# Altium PCB 1-quilter-input.PcbDoc (part 3 of 4) (continued)
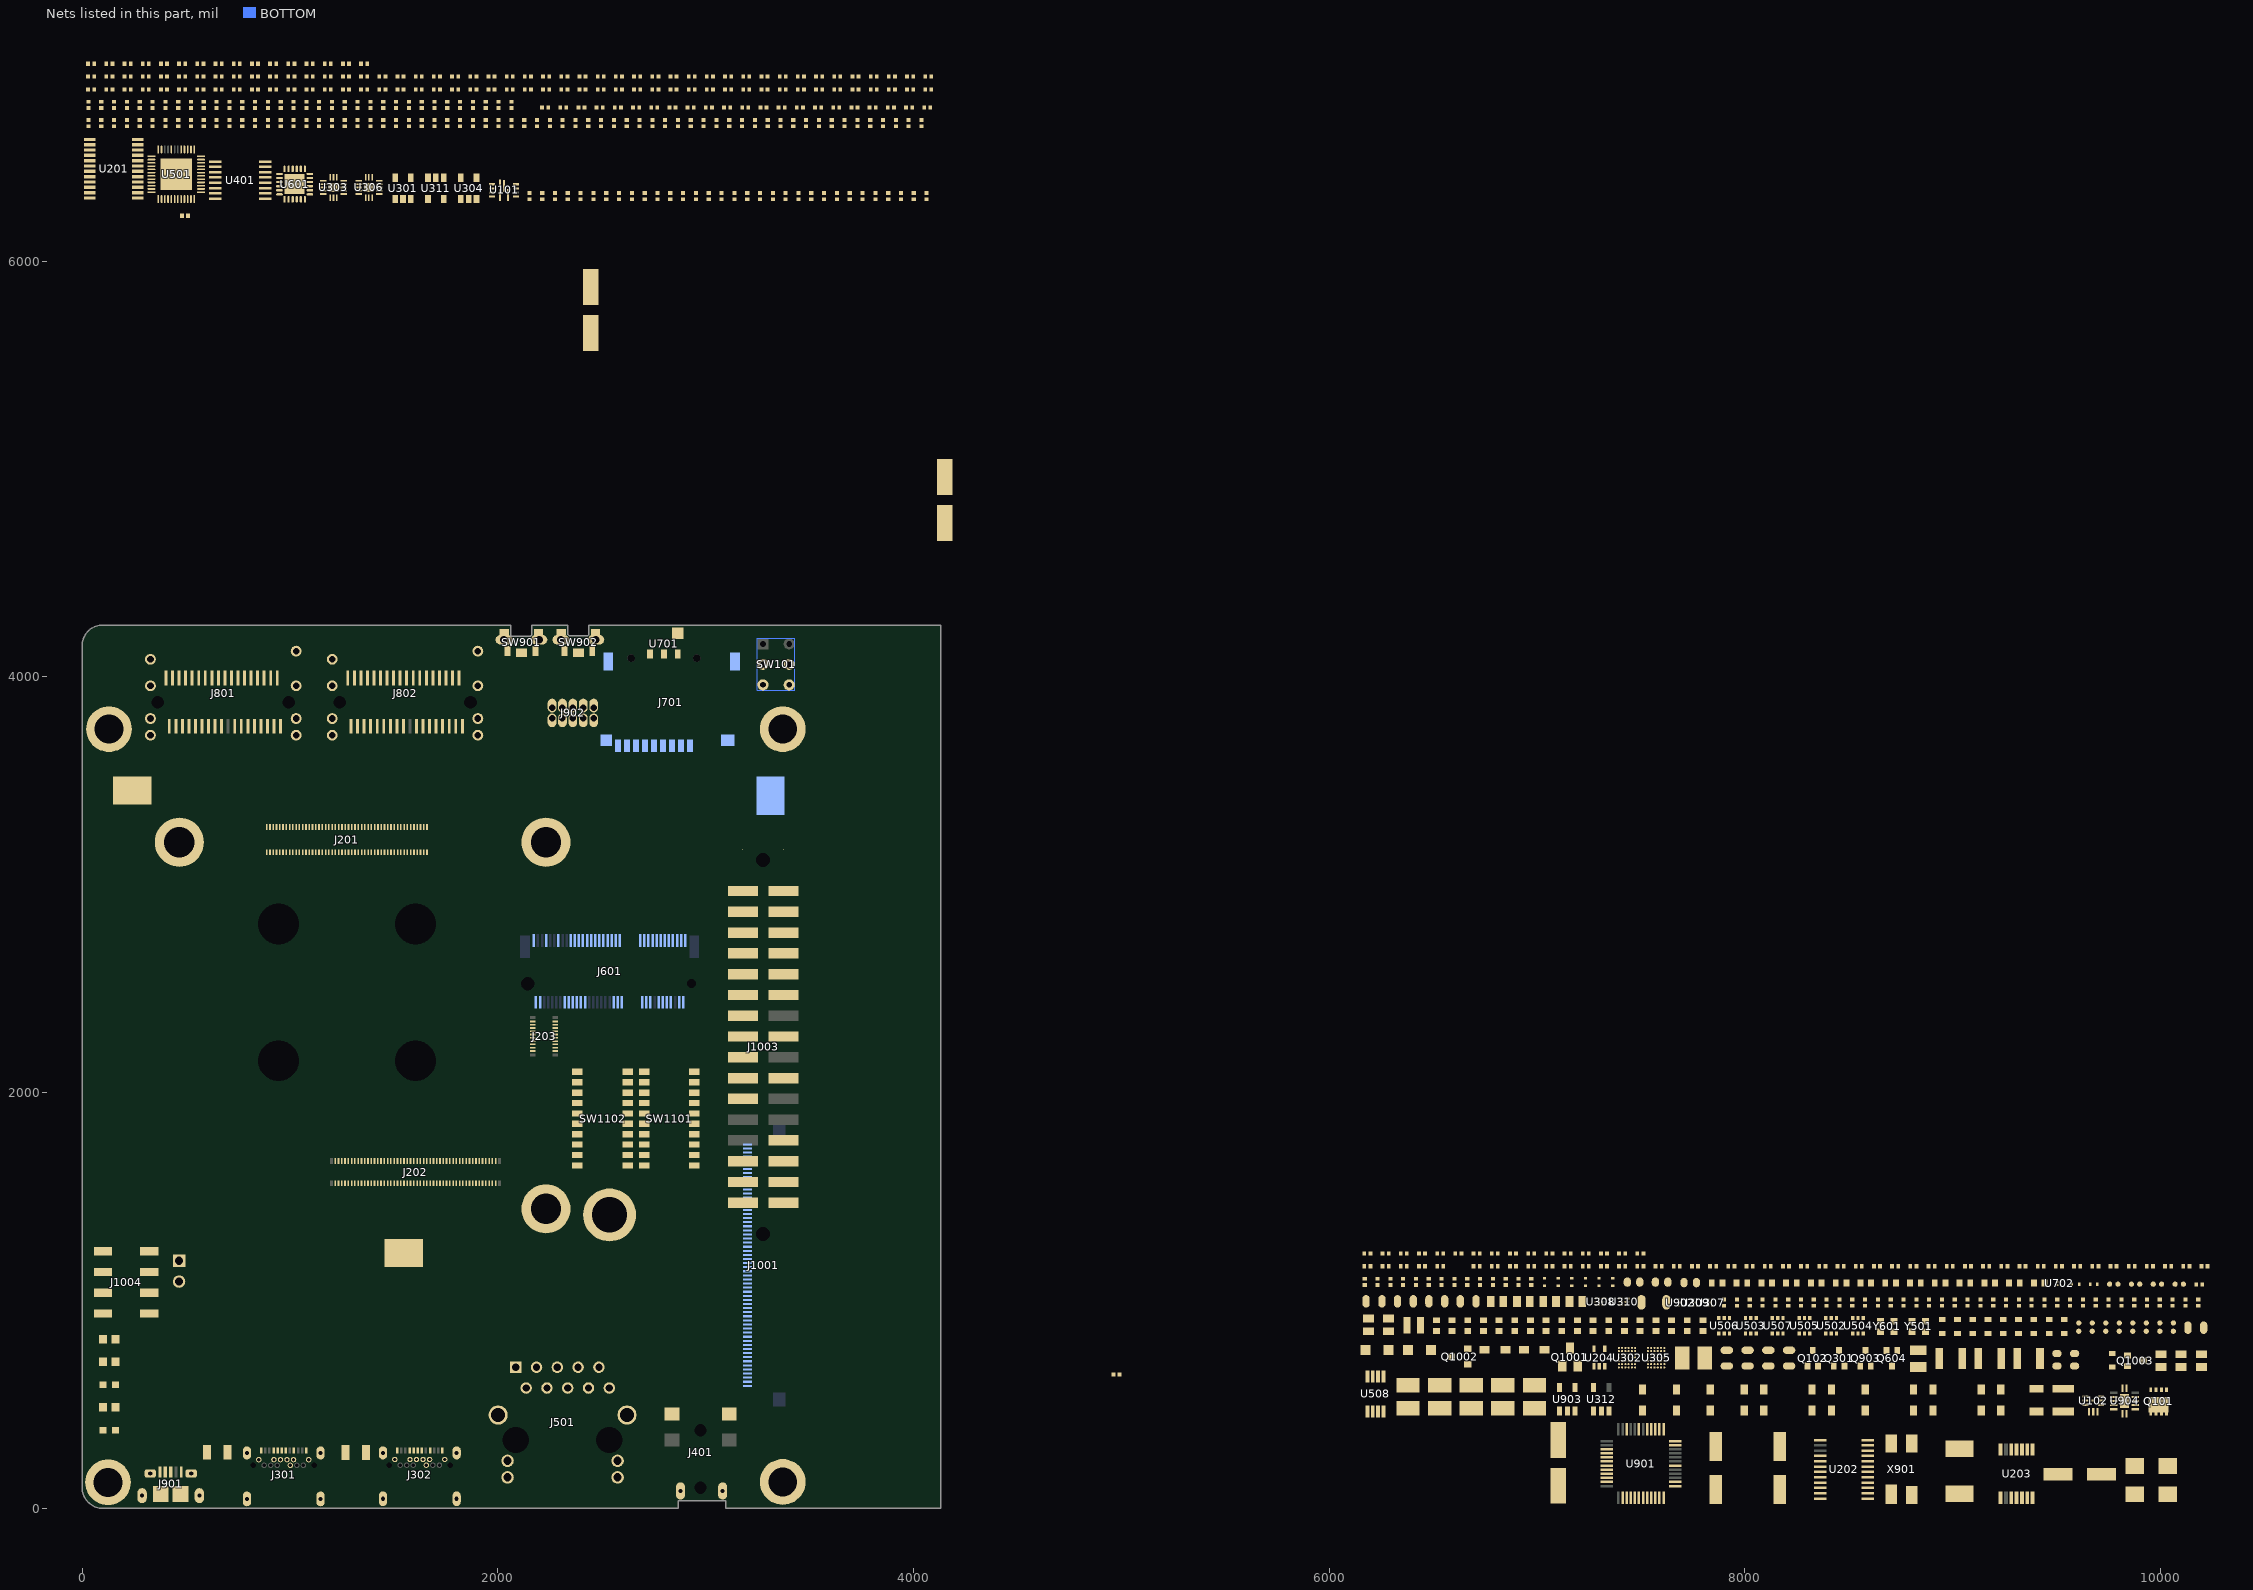
[diagram p5: the nets of this part, all layers, seen from the top]
## Part data (continued)
  R401: ClassName="C-09 Audio DAC", Part Reference=R401
  R402: ClassName="C-09 Audio DAC", Part Reference=R402
  R501: ASSY_OPT=DNP, ClassName="C-10 Ethernet 1Gbps", Part Reference=R501
  R502: ClassName="C-10 Ethernet 1Gbps", Part Reference=R502
  R503: ASSY_OPT=DNP, ClassName="C-10 Ethernet 1Gbps Bot 1", Part Reference=R503
  R511: ASSY_OPT=DNP, ClassName="C-10 Ethernet 1Gbps Bot 1", Part Reference=R511, SIGNAL_MODEL=RES_0402_CC_DISCRETE_470-75394__0
  R512: ASSY_OPT=DNP, ClassName="C-10 Ethernet 1Gbps Bot 1", Part Reference=R512, SIGNAL_MODEL=RES_0402_CC_DISCRETE_470-75394__0
  R530: ASSY_OPT=DNP, ClassName="C-10 Ethernet 1Gbps Bot 1", Part Reference=R530, SIGNAL_MODEL=RES_0402_CC_DISCRETE_470-75394__0
  R531: ASSY_OPT=DNP, ClassName="C-10 Ethernet 1Gbps Bot 1", Part Reference=R531, SIGNAL_MODEL=RES_0402_CC_DISCRETE_470-75394__0
  R532: ASSY_OPT=DNP, ClassName="C-10 Ethernet 1Gbps Bot 1", Part Reference=R532, SIGNAL_MODEL=RES_0402_CC_DISCRETE_470-75394__0
  R533: ASSY_OPT=DNP, ClassName="C-10 Ethernet 1Gbps Bot 1", Part Reference=R533, SIGNAL_MODEL=RES_0402_CC_DISCRETE_470-75394__0
  R534: ASSY_OPT=DNP, ClassName="C-10 Ethernet 1Gbps Bot 1", Part Reference=R534, SIGNAL_MODEL=RES_0402_CC_DISCRETE_470-75394__0
  R535: ASSY_OPT=DNP, ClassName="C-10 Ethernet 1Gbps Bot 1", Part Reference=R535, SIGNAL_MODEL=RES_0402_CC_DISCRETE_470-75394__0
  R536: ClassName="C-10 Ethernet 1Gbps", Part Reference=R536
  R537: ClassName="C-10 Ethernet 1Gbps", Part Reference=R537
  R538: ClassName="C-10 Ethernet 1Gbps", Part Reference=R538
  R539: ClassName="C-10 Ethernet 1Gbps Bot 1", Part Reference=R539
  R540: ClassName="C-10 Ethernet 1Gbps Bot 1", Part Reference=R540
  R541: ClassName="C-10 Ethernet 1Gbps Bot 1", Part Reference=R541
  R542: ClassName="C-10 Ethernet 1Gbps Bot 1", Part Reference=R542
  R543: ClassName="C-10 Ethernet 1Gbps Bot 1", Part Reference=R543
  R544: ClassName="C-10 Ethernet 1Gbps Bot 1", Part Reference=R544
  R603: ASSY_OPT=DNP, ClassName="C-11 PCIe Bot", Part Reference=R603
  R604: ClassName="C-11 PCIe Bot", Part Reference=R604
  R610: ClassName="C-11 PCIe Bot", Part Reference=R610
  R611: ClassName="C-11 PCIe Bot", Part Reference=R611
  R612: ClassName="C-11 PCIe Bot", Part Reference=R612
  R613: ClassName="C-11 PCIe Bot", Part Reference=R613
  R614: ASSY_OPT=DNP, ClassName="C-11 PCIe Bot", Part Reference=R614
  R615: ASSY_OPT=DNP, ClassName="C-11 PCIe Bot", Part Reference=R615
  R616: ClassName="C-11 PCIe Bot", Part Reference=R616
  R617: ClassName="C-11 PCIe Bot", Part Reference=R617
  R618: ClassName="C-11 PCIe Bot", Part Reference=R618
  R619: ClassName="C-11 PCIe Bot", Part Reference=R619
  R620: ClassName="C-11 PCIe Bot", Part Reference=R620
  R624: ASSY_OPT=DNP, ClassName="C-11 PCIe Bot", Part Reference=R624
  R625: ClassName="C-11 PCIe Bot", Part Reference=R625
  R629: ClassName="C-11 PCIe", Part Reference=R629
  R630: ClassName="C-11 PCIe", Part Reference=R630
  R631: ClassName="C-11 PCIe", Part Reference=R631
  R632: ClassName="C-11 PCIe", Part Reference=R632
  R702: ClassName="C-12 MicroSD_Infrared_LED_BTN Bot", Part Reference=R702
  R704: ClassName="C-12 MicroSD_Infrared_LED_BTN Bot", Part Reference=R704
  R705: ClassName="C-12 MicroSD_Infrared_LED_BTN Bot", Part Reference=R705
  R707: ClassName="C-12 MicroSD_Infrared_LED_BTN Bot", Part Reference=R707
  R708: ClassName="C-12 MicroSD_Infrared_LED_BTN Bot", Part Reference=R708
  R709: ClassName="C-12 MicroSD_Infrared_LED_BTN Bot", Part Reference=R709
  R807: ClassName="C-13 MIPI-DSI_CSI Bot", Part Reference=R807
  R808: ClassName="C-13 MIPI-DSI_CSI Bot", Part Reference=R808
  R809: ClassName="C-13 MIPI-DSI_CSI Bot", Part Reference=R809
  R810: ClassName="C-13 MIPI-DSI_CSI Bot", Part Reference=R810
  R908: ClassName="C-14 Debug", Part Reference=R908
  R909: ClassName="C-14 Debug", Part Reference=R909
  R910: ClassName="C-14 Debug", Part Reference=R910
  R911: ClassName="C-14 Debug", Part Reference=R911
  R921: ASSY_OPT=DNP, ClassName="C-14 Debug", Part Reference=R921, SIGNAL_MODEL=DEFAULT_RESISTOR_10000OHM_2_1, TOL=1%
  R922: ClassName="C-14 Debug", Part Reference=R922, SIGNAL_MODEL=DEFAULT_RESISTOR_10000OHM_2_1, TOL=1%
  R923: ASSY_OPT=DNP, ClassName="C-14 Debug", Part Reference=R923, SIGNAL_MODEL=DEFAULT_RESISTOR_10000OHM_2_1, TOL=1%
  R927: ASSY_OPT=DNP, ClassName="C-14 Debug", Part Reference=R927
  R928: ClassName="C-14 Debug Bot", Part Reference=R928
  R1003: ClassName="C-15 Expansion CN Bot", Part Reference=R1003
  R1004: ASSY_OPT=DNP, ClassName="C-15 Expansion CN Bot", Part Reference=R1004
  R1005: ASSY_OPT=DNP, ClassName="C-15 Expansion CN Bot", Part Reference=R1005
  R1006: ClassName="C-15 Expansion CN Bot", Part Reference=R1006
  R1009: ClassName="C-15 Expansion CN Bot", Part Reference=R1009
  R1010: ClassName="C-15 Expansion CN Bot", Part Reference=R1010
  R1011: ClassName="C-15 Expansion CN Bot", Part Reference=R1011
  R1012: ClassName="C-15 Expansion CN Bot", Part Reference=R1012
  R1013: ClassName="C-15 Expansion CN Bot", Part Reference=R1013
  R1014: ClassName="C-15 Expansion CN Bot", Part Reference=R1014
  R1015: ClassName="C-15 Expansion CN Bot", Part Reference=R1015
  R1016: ClassName="C-15 Expansion CN Bot", Part Reference=R1016
  R1017: ClassName="C-15 Expansion CN Bot", Part Reference=R1017
  R1018: ClassName="C-15 Expansion CN Bot", Part Reference=R1018
  R1019: ClassName="C-15 Expansion CN Bot", Part Reference=R1019
  R1020: ClassName="C-15 Expansion CN Bot", Part Reference=R1020
  R1021: ClassName="C-15 Expansion CN Bot", Part Reference=R1021
  R1022: ClassName="C-15 Expansion CN Bot", Part Reference=R1022
  R1023: ClassName="C-15 Expansion CN Bot", Part Reference=R1023
  R1024: ClassName="C-15 Expansion CN Bot", Part Reference=R1024
  R1025: ClassName="C-15 Expansion CN Bot", Part Reference=R1025
  R1026: ClassName="C-15 Expansion CN Bot", Part Reference=R1026
  R1027: ASSY_OPT=DNP, ClassName="C-15 Expansion CN Bot", Part Reference=R1027
  R1028: ASSY_OPT=DNP, ClassName="C-15 Expansion CN Bot", Part Reference=R1028
R301 R361: library part RES, "RES MF 47K 1/16W 5% 0402", Tolerance=5%, AGILE_PN=470-75559, CAD_APPROVED=Yes, CLASS=DISCRETE, ClassName="C-08 USB TYPE-C DRP", FPLIST=RC0402_25,RC0402_HD,0402_CC, HEIGHT="0.40 MM", MFG_NAME01="NIC COMPONENTS CORP", MFG_PN01=NRCL04J473TRF, RoHS=Yes
  R301: Part Reference=R301, PCB Footprint=0402_CC
  R361: Part Reference=R361, PCB Footprint=RC0402_25
R304 R318: library part RES, "RES MF 1.2M  1/10W 1% AEC-Q200 0402", Temp_Range="-55C to +155C", Tolerance=1%, AGILE_PN=470-31182, CAD_APPROVED=Yes, CLASS=DISCRETE, ClassName="C-08 USB TYPE-C DRP", FPLIST=RC0402_25,RC0402_HD,0402_CC, HEIGHT="0.40 MM", MFG_NAME01="KOA SPEER", MFG_PN01=RK73H1ETTP1204F, PCB Footprint=0402_CC, RoHS=Yes
  R304: Part Reference=R304
  R318: Part Reference=R318
R306 R319 R333: library part RES, "RES MF 1M 1/16W 1% 0402", Tolerance=1%, AGILE_PN=470-80575, CAD_APPROVED=Yes, CLASS=DISCRETE, ClassName="C-08 USB TYPE-C DRP", FPLIST=RC0402_25,RC0402_HD,0402_CC, HEIGHT=0.4MM, MFG_NAME01=BOURNS, MFG_PN01=CR0402-FX-1004GLF, PCB Footprint=0402_CC, RoHS=Yes
  R306: Part Reference=R306
  R319: Part Reference=R319
  R333: Part Reference=R333
R313 R314 R321 R322: library part RES, "RES MF 249K 1/10W 1% AEC-Q200 0402", Temp_Range="-55C to +155C", Tolerance=1%, AGILE_PN=470-31103, CAD_APPROVED=Yes, CLASS=DISCRETE, ClassName="C-08 USB TYPE-C DRP", FPLIST=RC0402_25,RC0402_HD,0402_CC, HEIGHT="0.40 MM", MFG_NAME01="KOA SPEER", MFG_PN01=RK73H1ETTP2493F, PCB Footprint=0402_CC, RoHS=Yes
  R313: Part Reference=R313
  R314: Part Reference=R314
  R321: Part Reference=R321
  R322: Part Reference=R322
R315 R316 R323 R325: library part RES, "RES MF ZERO OHM JUMPER 1/2W AEC-Q200 0805", Temp_Range="-55 ¡ãC to +155 ¡ãC", AGILE_PN=470-81272, CAD_APPROVED=Yes, CLASS=DISCRETE, FPLIST=RC0805_OV,RC0805,0805_CC, HEIGHT=0.6MM, MFG_NAME01="VISHAY INTERTECHNOLOGY", MFG_PN01=CRCW08050000Z0EAHP, PCB Footprint=RC0805_OV, RoHS=Yes
  R315: ASSY_OPT=DNP, ClassName="C-08 USB TYPE-C DRP Bot 1", Part Reference=R315
  R316: ASSY_OPT=DNP, ClassName="C-08 USB TYPE-C DRP Bot 1", Part Reference=R316
  R323: ClassName="C-08 USB TYPE-C DRP Bot 2", Part Reference=R323
  R325: ClassName="C-08 USB TYPE-C DRP Bot 2", Part Reference=R325
R356: library part RES, "RES MF 174K 1/16W 1% 0402", Tolerance=1%, AGILE_PN=470-77305, CAD_APPROVED=Yes, CLASS=DISCRETE, ClassName="C-08 USB TYPE-C DRP", FPLIST=RC0402_25,RC0402_HD,0402_CC, HEIGHT=0.4MM, MFG_NAME01=PANASONIC, MFG_PN01=ERJ-2RKF1743X, Part Reference=R356, PCB Footprint=RC0402_25, RoHS=Yes
R357 R359: library part RES, "RES MF 24.9K  1/16W 1% 0402", Temp_Range="-55¡ãC ~ 155¡ãC", Tolerance=1%, AGILE_PN=470-30990, CAD_APPROVED=Yes, CLASS=DISCRETE, ClassName="C-08 USB TYPE-C DRP", FPLIST=RC0402_25,RC0402_HD,0402_CC, HEIGHT="0.40 MM", MFG_NAME01="YAGEO AMERICA", MFG_PN01=RC0402FR-0724K9L, PCB Footprint=RC0402_25, RoHS=Yes
  R357: Part Reference=R357
  R359: Part Reference=R359
R358 R930: library part RES, "RES MF 120K 1/10W 1% AEC-Q200 0402", Temp_Range="-55C to +155C", Tolerance=1%, AGILE_PN=470-31069, CAD_APPROVED=Yes, CLASS=DISCRETE, FPLIST=RC0402_25,RC0402_HD,0402_CC, HEIGHT="0.40 MM", MFG_NAME01="KOA SPEER", MFG_PN01=RK73H1ETTP1203F, PCB Footprint=RC0402_25, RoHS=Yes
  R358: ClassName="C-08 USB TYPE-C DRP", Part Reference=R358
  R930: ClassName="C-14 Debug", Part Reference=R930
R403 R404: library part RES, "RES MF 510 OHM 1/10W 1% 0603", Tolerance=1%, AGILE_PN=470-75770, CAD_APPROVED=Yes, CLASS=DISCRETE, ClassName="C-09 Audio DAC", FPLIST=RC0603_OV,RC0603,0603_CC, HEIGHT="0.55 MM", MFG_NAME01=BOURNS, MFG_PN01=CR0603-FX-5100ELF, PCB Footprint=RC0603_OV, RoHS=Yes
  R403: Part Reference=R403
  R404: Part Reference=R404
R508 R527 R528: library part RES, "RES MF 1.5K 1/16W 1% 0402", Tolerance=1%, AGILE_PN=470-80487, ASSY_NOTE=470-76065, CAD_APPROVED=Yes, CLASS=DISCRETE, FPLIST=RC0402_25,RC0402_HD,0402_CC, HEIGHT=0.4MM, MFG_NAME01=BOURNS, MFG_PN01=CR0402-FX-1501GLF, PCB Footprint=0402_CC, PRIORITY_PN=006-00654, RoHS=Yes, ROOM=RGMII_PHY
  R508: ClassName="C-10 Ethernet 1Gbps Bot 1", Part Reference=R508
  R527: ClassName="C-10 Ethernet 1Gbps", Part Reference=R527
  R528: ClassName="C-10 Ethernet 1Gbps", Part Reference=R528
R510 R513: library part RES, "RES MF 270 OHM 1/16W 5% 0402", Tolerance=5%, AGILE_PN=470-30332, CAD_APPROVED=Yes, CLASS=DISCRETE, ClassName="C-10 Ethernet 1Gbps", FPLIST=RC0402_25,RC0402_HD,0402_CC, HEIGHT="0.40 MM", MFG_NAME01="VISHAY INTERTECHNOLOGY", MFG_PN01=CRCW0402270RJNED, PCB Footprint=RC0402_25, RoHS=Yes, SIGNAL_MODEL=DEFAULT_RESISTOR_270OHM_2_1
  R510: Part Reference=R510
  R513: Part Reference=R513
R514: library part RES, "RES MF 1.0M 1/4W 1% 1206", Tolerance=1%, AGILE_PN=470-81076, CAD_APPROVED=Yes, CLASS=DISCRETE, ClassName="C-10 Ethernet 1Gbps Bot 2", FPLIST=RC1206_OV,RC1206,1206_CC, HEIGHT=0.6MM, MFG_NAME01="VISHAY INTERTECHNOLOGY", MFG_PN01=RCV12061M00FKEA, Part Reference=R514, PCB Footprint=1206_CC, RoHS=Yes
R515: library part RES, "RES MF 2.37K  1/16W 1% 0402", Temp_Range="-55¡ãC ~ 155¡ãC", Tolerance=1%, AGILE_PN=470-30874, CAD_APPROVED=Yes, CLASS=DISCRETE, ClassName="C-10 Ethernet 1Gbps Bot 1", FPLIST=RC0402_25,RC0402_HD,0402_CC, HEIGHT="0.40 MM", MFG_NAME01="YAGEO AMERICA", MFG_PN01=RC0402FR-072K37L, Part Reference=R515, PCB Footprint=0402_CC, PRIORITY_PN=006-01003, RoHS=Yes, ROOM=RGMII_PHY, SIGNAL_MODEL=DEFAULT_RESISTOR_2370OHM_2_1
R621 R622: library part RES, "RES MF 49.9 OHM 1/16W 1% 0402", Tolerance=1%, AGILE_PN=470-75360, ASSY_OPT=DNP, CAD_APPROVED=Yes, CLASS=DISCRETE, ClassName="C-11 PCIe Bot", FPLIST=RC0402_25,RC0402_HD,0402_CC, HEIGHT=0.4MM, MFG_NAME01=BOURNS, MFG_PN01=CR0402-FX-49R9GLF, PCB Footprint=0402_CC, RoHS=Yes
  R621: Part Reference=R621
  R622: Part Reference=R622
R714 R1030: library part RES, "RES MF 47 OHM 1/16W 5% 0402", Tolerance=5%, AGILE_PN=470-75632, CAD_APPROVED=Yes, CLASS=DISCRETE, FPLIST=RC0402_25,RC0402_HD,0402_CC, HEIGHT=0.41mm, MFG_NAME01=SMEC, MFG_PN01=RC73L2Z470JTF, PCB Footprint=0402_CC, RoHS=Yes
  R714: ClassName="C-12 MicroSD_Infrared_LED_BTN", Part Reference=R714
  R1030: ClassName="C-15 Expansion CN Bot", Part Reference=R1030
R904: library part RES, "RES TF 470 1/16W 5% RC0402", Tolerance=5%, AGILE_PN=470-76556, CAD_APPROVED=Yes, CLASS=DISCRETE, ClassName="C-14 Debug", FPLIST=RC0402_25,RC0402_HD,0402_CC, HEIGHT="0.4 MM", MFG_NAME01=BOURNS, MFG_PN01=CR0402JW471GLF, Part Reference=R904, PCB Footprint=0402_CC, RoHS=Yes
R920: library part RES, "RES MF 100 OHM 1/16W 1% 0402", Tolerance=1%, AGILE_PN=470-30454, CAD_APPROVED=Yes, CLASS=DISCRETE, ClassName="C-14 Debug", FPLIST=RC0402_25,RC0402_HD,0402_CC, HEIGHT="0.4 MM", MFG_NAME01="THYE MING TECH CO LTD", MFG_PN01=CR-02FL6--100R, Part Reference=R920, PCB Footprint=0402_CC, RoHS=Yes
R925: library part RES, "RES MF 1.50K 1/16W 1% 0402", Tolerance=1%, AGILE_PN=470-76065, CAD_APPROVED=Yes, CLASS=DISCRETE, ClassName="C-14 Debug", FPLIST=RC0402_25,RC0402_HD,0402_CC, HEIGHT="0.4 MM", MFG_NAME01="WALSIN TECHNOLOGY CORP.", MFG_PN01=WR04X1501FTL, Part Reference=R925, PCB Footprint=0402_CC, RoHS=Yes
R929 R1102 R1104 R1106 R1108 R1110 R1112 R1114 R1116 R1118 R1120 R1122 R1124 R1126 R1128 R1130 R1132 R1134 R1136 R1139 R1140: library part RES, "RES MF 100K 1/16W 5% 0402", Temp_Range="-55C to +155C", Tolerance=5%, AGILE_PN=470-75597, CAD_APPROVED=Yes, CLASS=DISCRETE, FPLIST=RC0402_25,RC0402_HD,0402_CC, HEIGHT="0.40 MM", MFG_NAME01="VENKEL COMPANY", MFG_PN01=CR0402-16W-104JT, PCB Footprint=0402_CC, RoHS=Yes, TOL=5%
  R929: ClassName="C-14 Debug", Part Reference=R929
  R1102: ClassName="X-16 BOOT CFG Bot", Part Reference=R1102
  R1104: ClassName="X-16 BOOT CFG Bot", Part Reference=R1104
  R1106: ClassName="X-16 BOOT CFG Bot", Part Reference=R1106
  R1108: ClassName="X-16 BOOT CFG Bot", Part Reference=R1108
  R1110: ClassName="X-16 BOOT CFG Bot", Part Reference=R1110
  R1112: ClassName="X-16 BOOT CFG Bot", Part Reference=R1112
  R1114: ClassName="X-16 BOOT CFG Bot", Part Reference=R1114
  R1116: ClassName="X-16 BOOT CFG Bot", Part Reference=R1116
  R1118: ClassName="X-16 BOOT CFG Bot", Part Reference=R1118
  R1120: ClassName="X-16 BOOT CFG Bot", Part Reference=R1120
  R1122: ClassName="X-16 BOOT CFG Bot", Part Reference=R1122
  R1124: ClassName="X-16 BOOT CFG Bot", Part Reference=R1124
  R1126: ClassName="X-16 BOOT CFG Bot", Part Reference=R1126
  R1128: ClassName="X-16 BOOT CFG Bot", Part Reference=R1128
  R1130: ClassName="X-16 BOOT CFG Bot", Part Reference=R1130
  R1132: ClassName="X-16 BOOT CFG Bot", Part Reference=R1132
  R1134: ClassName="X-16 BOOT CFG Bot", Part Reference=R1134
  R1136: ClassName="X-16 BOOT CFG Bot", Part Reference=R1136
  R1139: ClassName="X-16 BOOT CFG Bot", Part Reference=R1139
  R1140: ClassName="X-16 BOOT CFG Bot", Part Reference=R1140
SW101: library part SW_DPDT_3, "SW DPDT SLD 0.03A 50V TH", AGILE_PN=510-78053, CAD_APPROVED=Yes, CLASS=IC, ClassName="C-06 Power", HEIGHT=5.8MM, MFG_NAME01="FODOT ELECTRONICS CO.,LTD.", MFG_PN01=M096H-A020RT21A, Part Reference=SW101, PCB Footprint=sw6_dpdt_m096h_th, RoHS=Yes
SW901 SW902: library part NTC501-BG1G-B160T, "SW SPST NO TACT RA 50MA 12V SMT", AGILE_PN=510-78113, CAD_APPROVED=Yes, CLASS=IC, ClassName="C-14 Debug", FPLIST=sw2_3p4_tact_sm,sw2_3p4_tact_sm_nsp, HEIGHT=1.9MM, MFG_NAME01=T-MEC, MFG_PN01=NTC501-BG1G-B160T, PCB Footprint=sw2_3p4_tact_sm_nsp, RoHS=Yes
  SW901: Part Reference=SW901
  SW902: Part Reference=SW902
SW1101 SW1102: library part SW_DIP-10, "SW SPST 10P DIP SLIDE 25MA 24V SMT", Temp_Range="-40 to +85C", AGILE_PN=510-78231, CAD_APPROVED=Yes, CLASS=IC, ClassName="X-16 BOOT CFG", HEIGHT=1.7MM, MFG_NAME01=Grayhill, MFG_PN01=97C10ST, PCB Footprint=sw_dip10_sm, RoHS=Yes
  SW1101: Part Reference=SW1101
  SW1102: Part Reference=SW1102
TP1201 TP1202 TP1203: "TEST POINT PAD SIZE 4.7MM X 3.5MM SN", AGILE_PN=211-30043, CAD_APPROVED=Yes, CLASS=IO, ClassName="X-17 Mech_TP", HEIGHT=2.286MM, MFG_NAME01="KEYSTONE ELECTRONICS", MFG_PN01=5016, PCB Footprint=TEST_PIN_TP107, PRIORITY_PN=028-00650, RoHS=Yes
  TP1201: Part Reference=TP1201
  TP1202: Part Reference=TP1202
  TP1203: Part Reference=TP1203
TVS303 TVS304 TVS307 TVS308 TVS401 TVS402 TVS701 TVS702 TVS901: library part DIODE_TVS_BIDIR, "DIODE SUPPRESSOR 16A@30NS 5V@1UA SOD-523", AGILE_PN=480-76937, CAD_APPROVED=Yes, CLASS=IC, HEIGHT=0.7MM, MFG_NAME01="on semiconductor", MFG_PN01=ESD5B5.0ST1G, PCB Footprint=diode2_sod523, RoHS=Yes
  TVS303: ASSY_OPT=DNP, ClassName="C-08 USB TYPE-C DRP", Part Reference=TVS303
  TVS304: ASSY_OPT=DNP, ClassName="C-08 USB TYPE-C DRP", Part Reference=TVS304
  TVS307: ASSY_OPT=DNP, ClassName="C-08 USB TYPE-C DRP Bot 1", Part Reference=TVS307
  TVS308: ASSY_OPT=DNP, ClassName="C-08 USB TYPE-C DRP", Part Reference=TVS308
  TVS401: ClassName="C-09 Audio DAC", Part Reference=TVS401
  TVS402: ClassName="C-09 Audio DAC", Part Reference=TVS402
  TVS701: ClassName="C-12 MicroSD_Infrared_LED_BTN Bot", Part Reference=TVS701
  TVS702: ClassName="C-12 MicroSD_Infrared_LED_BTN Bot", Part Reference=TVS702
  TVS901: ClassName="C-14 Debug", Part Reference=TVS901
U101: library part MP8759GD_QFN12P, "IC VREG SYNC STEP DOWN DCDC ADJ 8A 4.5-26V QFN12", Temp_Range="-40¡ãC to 125¡ãC", AGILE_PN=315-81301, CAD_APPROVED=Yes, CLASS=IC, ClassName="C-06 Power Bot", HEIGHT="1.05 MM", MFG_NAME01="MONOLITHIC POWER SYSTEMS", MFG_PN01=MP8759GD, Part Reference=U101, PCB Footprint=qfn12_0p5_3p1x2p1, RoHS=Yes
U102: library part MP2147GD_QFN_11P, "IC VREG BUCK 0.6V-5.5V 4A 2.8--5.5V QFN12", AGILE_PN=315-80523, CAD_APPROVED=Yes, CLASS=IC, ClassName="C-06 Power Bot", HEIGHT=1MM, MFG_NAME01="MONOLITHIC POWER SYSTEMS", MFG_PN01=MP2147GD, Part Reference=U102, PCB Footprint=qfn12_0p5_2x3mm_ep, RoHS=Yes
U201: library part PCA6416APW_TSSOP24, "IC I/O EXPANDER 16-BIT I2C SMBUS 1.65-5.5V TSSOP24", Temp_Range="-40¡ãC to +85¡ãC", AGILE_PN=312-81854, CAD_APPROVED=Yes, CLASS=IC, ClassName="C-07 CPU IO INTERFACE Bot 5", HEIGHT=1.1MM, MFG_NAME01="NXP SEMICONDUCTORS", MFG_PN01=PCA6416APW,118, Part Reference=U201, PCB Footprint=tssop24_0p65_7p9x4p5, RoHS=Yes
U202: library part SN74AVC8T245, "IC VXLTR 8BIT TS 1.2-3.6V TSSOP-24", AGILE_PN=312-79594, CAD_APPROVED=Yes, CLASS=IC, ClassName="C-07 CPU IO INTERFACE Bot 5", HEIGHT=1.2MM, MFG_NAME01=NEXPERIA, MFG_PN01=74AVC8T245PW,118, Part Reference=U202, PCB Footprint=TSSOP24_65MM, RoHS=Yes
U203: library part NTS0104PW_14P, "IC VXLTR XCVR 4CH 1.65-3.6V/2.3-5.5V TSSOP14", AGILE_PN=312-81228, CAD_APPROVED=Yes, CLASS=IC, ClassName="C-07 CPU IO INTERFACE Bot 2", HEIGHT=1.1MM, MFG_NAME01="NXP SEMICONDUCTORS", MFG_PN01=NTS0104PW,118, Part Reference=U203, PCB Footprint=tssop14, RoHS=Yes
U204: library part 1G125, "IC BUFFER/LINE DRIVER 3STATE 0.8-3.6V SC70-5", AGILE_PN=315-80956, CAD_APPROVED=Yes, CLASS=IC, ClassName="C-07 CPU IO INTERFACE Bot 3", HEIGHT=1.1MM, MFG_NAME01=NEXPERIA, MFG_PN01=74AUP1G125GW,125, Part Reference=U204, PCB Footprint=SC70-5, RoHS=Yes
U301 U304 U311: "IC COMP MICRO POWER RAIL TO RAIL INPUT 1.4-5.5V SOT23-5", Temp_Range="-40C to +85C", AGILE_PN=315-81470, CAD_APPROVED=Yes, CLASS=IC, ClassName="C-08 USB TYPE-C DRP", HEIGHT=1.25MM, MFG_NAME01="SG Micro Corp", MFG_PN01=SGM8709YN5G/TR, PCB Footprint=SOT-23-5, RoHS=Yes
  U301: Part Reference=U301
  U304: Part Reference=U304
  U311: Part Reference=U311
U302 U305: library part NX20P3483UK_42P, "IC USB PD/TYPE-C PWR Sink/Source Combo SW 5A 2.8-20V WLCSP42", Manufacturer="NXP Semiconductors", Manufacturer Part Number=NX20P5090UK, Temp_Range="-40C to +85C", AGILE_PN=315-81752, CAD_APPROVED=Yes, CLASS=IC, HEIGHT=0.565MM, MFG_NAME01="NXP SEMICONDUCTORS", MFG_PN01=NX20P3483UK, PCB Footprint=wlcsp42_0p4_2p94x2p54_smdp, PRE_APN=315-81752, RoHS=Yes
  U302: ClassName="C-08 USB TYPE-C DRP Bot 1", Part Reference=U302
  U305: ClassName="C-08 USB TYPE-C DRP Bot 2", Part Reference=U305
U303 U306: library part PTN5110_QFN16, "IC USB PD PHY 1PORT 2.7-5.5V HX2QFN16", Temp_Range="¨C40C to +85C", AGILE_PN=315-81118, CAD_APPROVED=Yes, CLASS=IC, ClassName="C-08 USB TYPE-C DRP", HEIGHT=0.4MM, MFG_NAME01="NXP SEMICONDUCTORS", MFG_PN01=PTN5110NHQZ, PCB Footprint=hx2qfn16_0p4_2p7x2p7, RoHS=Yes
  U303: Part Reference=U303
  U306: Part Reference=U306
U307 U309 U902: library part PCMF1USB3S_WLCSP5, "EMI FILTER ESD PROTECTION 15kV/LINE WLCSP5", Manufacturer="NXP Semiconductors", Manufacturer Part Number=PESD1USB30, Temp_Range="-40¡ãC to +85¡ãC", AGILE_PN=480-79752, CAD_APPROVED=Yes, CLASS=IC, HEIGHT=0.6MM, MFG_NAME01=NEXPERIA, MFG_PN01=PCMF1USB3SZ, PCB Footprint=wlcsp5_0p4_0p82x1p22, RoHS=Yes
  U307: ClassName="C-08 USB TYPE-C DRP Bot 1", Part Reference=U307
  U309: ClassName="C-08 USB TYPE-C DRP Bot 1", Part Reference=U309
  U902: ClassName="C-14 Debug", Part Reference=U902
U308 U310: library part NX20P0407_WLCSP12_A, "IC USB TYPE C PROTECTION +15KV/+8KV ESD WLCSP12", Manufacturer="NXP Semiconductors", Manufacturer Part Number=NX20P5090UK, Temp_Range="-40C to +85C", AGILE_PN=312-81846, CAD_APPROVED=Yes, CLASS=IC, ClassName="C-08 USB TYPE-C DRP Bot 1", HEIGHT="0.565 MM", MFG_NAME01="NXP SEMICONDUCTORS", MFG_PN01=NX20P0407, PCB Footprint=wlcsp12_0p4_1p3x1p7mm_smdp, PRE_APN=312-81846, RoHS=Yes
  U308: Part Reference=U308
  U310: Part Reference=U310
U312: library part TPS709_1, "IC VREG 3.3V 150mA 2.7-30V SOT23-5", Temp_Range="-40 to +125C", AGILE_PN=315-81914, CAD_APPROVED=Yes, CLASS=IC, ClassName="C-08 USB TYPE-C DRP", HEIGHT=1.45MM, MFG_NAME01="TEXAS INSTRUMENTS", MFG_PN01=TPS70933DBVR, Part Reference=U312, PCB Footprint=sot23-5, PRE_APN=315-81914, RoHS=Yes
U401: library part WM8524GEDT, "IC DAC STEREO 24BIT 192kHz 2.97-3.63V TSSOP16", Temp_Range="-40C to +85C", AGILE_PN=315-81421, CAD_APPROVED=Yes, CLASS=IC, ClassName="C-09 Audio DAC", HEIGHT=1.2MM, MFG_NAME01="CIRRUS LOGIC", MFG_PN01=WM8524CGEDT, Part Reference=U401, PCB Footprint=tssop16, RoHS=Yes
U501: library part AR8031_48P_EP, "IC XCVR ETHERNET PHY 10/100/1000G-BIT 3.3V QFN48", AGILE_PN=312-80115, CAD_APPROVED=Yes, CLASS=IC, ClassName="C-10 Ethernet 1Gbps Bot 1", HEIGHT=0.8MM, MFG_NAME01="QUALCOMM ATHEROS, INC", MFG_PN01=AR8031-AL1A, Part Reference=U501, PCB Footprint=qfn48_0p4_6x6mm_epad, RoHS=Yes
U502 U503 U504 U505 U506 U507: library part NC7WV16_6P, "IC BUFFER NON-INVERTING DUAL 0.9-3.6V SC70-6", AGILE_PN=312-80921, CAD_APPROVED=Yes, CLASS=IC, ClassName="C-10 Ethernet 1Gbps Bot 1", HEIGHT=1.1MM, MFG_NAME01=Fairchild, MFG_PN01=NC7WV16P6X, PCB Footprint=sc70_6lead, RoHS=Yes
  U502: Part Reference=U502
  U503: Part Reference=U503
  U504: Part Reference=U504
  U505: Part Reference=U505
  U506: Part Reference=U506
  U507: Part Reference=U507
U508: library part NTB0102_8P, "IC XCVR 2-BIT 1.65-3.6V/2.3-5.5V TSSOP8", AGILE_PN=312-80889, CAD_APPROVED=Yes, CLASS=IC, ClassName="C-10 Ethernet 1Gbps Bot 1", HEIGHT=1.1MM, MFG_NAME01="NXP SEMICONDUCTORS", MFG_PN01=NTS0102DP, Part Reference=U508, PCB Footprint=tssop8_a, RoHS=Yes
U601: library part 9FGV0241AKLF_24P, "IC CLK GEN 2-OUTPUT VERY LOW POWER PCIE 1.7-1.9V VFQFPN24", AGILE_PN=312-81024, CAD_APPROVED=Yes, CLASS=IC, ClassName="C-11 PCIe Bot", HEIGHT="1 MM", MFG_NAME01=IDT, MFG_PN01=9FGV0241AKLF, Part Reference=U601, PCB Footprint=qfn24_0p5_4x4_ep2p2, RoHS=Yes
U701: library part IRM-V538, "IC IR RCVR MODULE 38KHZ 2.7-5.5V SMT", Temp_Range="-20¡ãC ~ 80¡ãC", AGILE_PN=312-82103, CAD_APPROVED=Yes, CLASS=IC, ClassName="C-12 MicroSD_Infrared_LED_BTN", HEIGHT=2.85MM, MFG_NAME01="EVERLIGHT INTERNATIONAL CORPORATION", MFG_PN01=IRM-V538M3/TR1, Part Reference=U701, PCB Footprint=rcvr_sm_irm_v5, RoHS=Yes
U702: library part ADP199_4P, "IC HIGH SIDE PWR SW 1.1-3.6V WLCSP4", Temp_Range="-45 to 85 C", AGILE_PN=315-82028, CAD_APPROVED=Yes, CLASS=IC, ClassName="C-12 MicroSD_Infrared_LED_BTN Bot", HEIGHT=0.66MM, MFG_NAME01="ANALOG DEVICES", MFG_PN01=ADP191ACBZ-R7, Part Reference=U702, PCB Footprint=wlcsp4_0p4_0p8x0p8_smdp, RoHS=Yes
U901: "IC DUAL USB UART/FIFO 4.35V-5.25V LQFP48", AGILE_PN=312-77962, CAD_APPROVED=Yes, CLASS=IC, ClassName="C-14 Debug", EN=301-0-01483, HEIGHT=1.60MM, MFG_NAME01="Future Technology Devices International Ltd.", MFG_PN01=FT2232D, Part Reference=U901, PCB Footprint=lqfp48, RoHS=Yes
U903: library part RT9193-33PB, "IC VREG LDO 3.3V 300MA SOT-23-5", AGILE_PN=315-76265, CAD_APPROVED=Yes, CLASS=IC, ClassName="C-14 Debug Bot", HEIGHT=1.295MM, MFG_NAME01=RICHTEK, MFG_PN01=RT9193-33GB, Part Reference=U903, PCB Footprint=sot23-5, RoHS=Yes
U904: "IC DUAL XLTR XCVR 4BIT 1.2-3.6/1.65-5.5V DHVQFN14", AGILE_PN=312-81227, CAD_APPROVED=Yes, CLASS=IC, ClassName="C-14 Debug", HEIGHT=1MM, MFG_NAME01="NXP SEMICONDUCTORS", MFG_PN01=NTB0104BQ,115, Part Reference=U904, PCB Footprint=dhvqfn14_3x2p5mm, RoHS=Yes
X901: library part XTAL_13, "XTAL 6MHz 18PF 7x5mm SMT", Temp_Range="-20°C to 70°C", AGILE_PN=230-78203, CAD_APPROVED=Yes, CLASS=IC, ClassName="C-14 Debug Bot", EN=108-1-00217, HEIGHT=1.3MM, MFG_NAME01="ABRACON CORP", MFG_PN01=ABMM-6.000MHZ-B2-T, Part Reference=X901, PCB Footprint=xtal_4_7p2x5p2, RoHS=Yes
Y501 Y601: library part XTAL_13Y, "XTAL25MHZ 20 PPM SMT ROHS", AGILE_PN=230-75460, CAD_APPROVED=YES, CLASS=IC, HEIGHT="0.56 MM", MFG_NAME01="ABRACON CORP", MFG_PN01=ABM10-25.000MHZ-E20-T, PCB Footprint=XTLOSC4_2P5X2MM_SM, RoHS=Yes
  Y501: ClassName="C-10 Ethernet 1Gbps Bot 1", Part Reference=Y501
  Y601: ClassName="C-11 PCIe Bot", Part Reference=Y601

## Nets (pads, with @x,y where several pads share a name; then routed paths per layer and width w, separated by ;. In a path a pad name is that pad's centre, name@x,y a point inside that pad or via, vN(x,y) a via of type N, cw(c..) or ccw(c..) an arc to the next point about the centre after c; other vN are vias at no path point)
3483_EN_SNK1: Q301.3 R333.1 R342.2 U302.F1
3483_EN_SNK2: R335.2 U305.F1
AUD_NMUTE: R405.1 U202.18 U401.11
BOOT_MODE0: J201.98 R1104.1 SW1101.1
BOOT_MODE1: J201.100 R1106.1 SW1101.2
BT_DEV_WAKE: J601.20
BYPASS1: C318.2 U303.4
BYPASS2: C332.2 R327.2 U306.4
CLKIN1: J201.94
CLKIN2: J201.96
CLKO1: J202.40 J802.B8 R803.2
CLKOUT1: J201.64
CLKOUT2: J201.66
CSI_CK_N: J201.45 J802.A2
CSI_CK_P: J201.47 J802.A3
CSI_D0_N: J201.33 J802.B2
CSI_D0_P: J201.35 J802.B3
CSI_D1_N: J201.39 J802.B5
CSI_D1_P: J201.41 J802.B6
CSI_D2_N: J201.51 J802.B13
CSI_D2_P: J201.53 J802.B14
CSI_D3_N: J201.57 J802.B16
CSI_D3_P: J201.59 J802.B17
CSI_I2C_SCL: J802.B11 R809.1
CSI_I2C_SDA: J802.B10 R807.1
CSI_NRST: J202.58 J802.B9 R806.2
CSI_PWDN: J202.56 J802.A11 R802.2
DEBUG_ACCESS1: U303.9
DEBUG_ACCESS2: U306.9
DIF0_N: R611.1 U601.14
DIF0_P: R610.1 U601.13
DIF1_N: R617.1 U601.18
DIF1_P: R616.1 U601.17
DSI_BL_PWM: J202.64 J801.B8 R804.2
DSI_CK_N: J201.15 J801.A2
DSI_CK_P: J201.17 J801.A3
DSI_D0_N: J201.3 J801.B2
DSI_D0_P: J201.5 J801.B3
DSI_D1_N: J201.9 J801.B5
DSI_D1_P: J201.11 J801.B6
DSI_D2_N: J201.21 J801.B13
DSI_D2_P: J201.23 J801.B14
DSI_D3_N: J201.27 J801.B16
DSI_D3_P: J201.29 J801.B17
DSI_EN: J202.54 J801.A11 R805.2
DSI_TS_NINT: J202.52 J801.B9 R801.2
DSI_TS_SCL: J801.B11 R810.1
DSI_TS_SDA: J801.B10 R808.1
ECSPI2_MISO: J201.16 J1003.21
ECSPI2_MOSI: J201.18 J1003.19
ECSPI2_SCLK: J201.14 J1003.23
ECSPI2_SS0: J201.12 J1003.24
EN_SNK1: R342.1 U303.2
EN_SNK2: R335.1 R360.1 U306.2
EN_SRC1: R332.2 U302.G1
EN_SRC2: R334.2 U305.G1
ENET_AVDD33: C501.1 C503.1 L501.2 U501.16
ENET_AVDDL_1V1: C510.1 C511.1 C512.1 C513.1 L503.1 U501.8 U501.13 U501.19 U501.44
ENET_DVDDL_1V1: C508.1 C509.1 L502.2 L503.2 R509.1 U501.47
ENET_LX: L502.1 U501.3
ENET_MDC: J203.18 R511.1 U508.5
ENET_MDIO: J203.20 R508.2 R512.1 U508.4
ENET_NINT: J202.50 U501.5
ENET_NRST: R506.2 U202.19 U501.2
ENET_NRST_LV: J202.79 R212.1
ENET_RD0: J203.8 R531.1 R539.1
ENET_RD0_BUFIN: R516.1 R517.1 R531.2 U501.31 U502.1 U502.3
ENET_RD1: J203.10 R532.1 R540.1
ENET_RD1_BUFIN: R518.1 R532.2 U501.30 U504.1 U504.3
ENET_RD2: J203.12 R533.1 R541.1
ENET_RD2_BUFIN: R522.1 R533.2 U501.28 U503.1 U503.3
ENET_RD3: J203.14 R534.1 R543.1
ENET_RD3_BUFIN: R524.1 R534.2 U501.27 U505.1 U505.3
ENET_RX_CTL: J203.2 R535.1 R544.1
ENET_RX_CTL_BUFIN: R521.1 R535.2 U501.32 U507.1 U507.3
ENET_RXC: J203.4 R530.1 R542.1
ENET_RXC_BUFIN: R523.1 R530.2 U501.33 U506.1 U506.3
ENET_SD: R509.2 U501.41
ENET_TD0: J203.9 U501.36
ENET_TD1: J203.11 U501.37
ENET_TD2: J203.13 U501.38
ENET_TD3: J203.15 U501.39
ENET_TX_CTL: J203.1 U501.34
ENET_TXC: J203.5 U501.35
ENET_VDDH_2V5: C502.1 R501.2 R519.2 U501.10
ENET_VDDIO: C504.1 C505.1 R501.1 R502.1 R503.1 R508.1 R516.2 U501.29
ENET_XTLI: C519.1 U501.7 Y501.3
ENET_XTLO: C518.1 U501.6 Y501.1

## Text inside footprints (layer, text, board x,y; h text height)
Q102: Top Overlay "3" at 8316.83,789.46 h15; Top Overlay "2" at 8380.41,637.39 h15; Top Overlay "1" at 8265.3,639.38 h15
Q301: Top Overlay "3" at 8443.83,789.46 h15; Top Overlay "2" at 8507.41,637.39 h15; Top Overlay "1" at 8392.3,639.38 h15
Q604: Top Overlay "1" at 8768.74,802.14 h15 r180; Top Overlay "2" at 8653.63,804.13 h15 r180; Top Overlay "3" at 8717.21,652.06 h15 r180
Q903: Top Overlay "3" at 8570.83,789.46 h15; Top Overlay "2" at 8634.41,637.39 h15; Top Overlay "1" at 8519.3,639.38 h15
Q1001: Top Overlay "1" at 7088.42,656.66 h20; Top Pin Number "2" at 7189.7,670.86 h25; Top Pin Number "1" at 7114.9,670.86 h25; Top Pin Number "3" at 7152.3,757.46 h25
Q1002: Top Overlay "1" at 6683.42,650.79 h30 r90; Top Overlay "2" at 6680.42,796.79 h30 r90; Top Pin Number "2" at 6676.84,757.87 h20 r90; Top Pin Number "3" at 6597.84,720.87 h20 r90; Top Pin Number "1" at 6676.84,683.87 h20 r90
Q1003: Top Overlay "1" at 9797.49,770.51 h15 r270; Top Overlay "2" at 9795.5,655.4 h15 r270; Top Overlay "3" at 9947.57,718.98 h15 r270
R103: Top Pin Number "1" at 7625.47,1002.25 h25 r180; Top Pin Number "2" at 7510.83,1002.25 h25 r180
R120: Bottom Pin Number "1" at 6285.67,912.15 h25 r270; Bottom Pin Number "2" at 6285.67,850.73 h25 r270
R514: Top Pin Number "1" at 9388.15,584.53 h25 r270; Top Pin Number "2" at 9388.15,474.29 h25 r270
R1001: Bottom Pin Number "2" at 7218.06,993.14 h25; Bottom Pin Number "1" at 7156.64,993.14 h25
R1034: Bottom Pin Number "2" at 10099.65,739.81 h25 r90; Bottom Pin Number "1" at 10099.65,678.39 h25 r90
SW101: Top Overlay "1" at 3220.65,4142.03 h31; Top Overlay "3" at 3212.78,3945.18 h31; Top Overlay "6" at 3433.25,3945.18 h31; Top Overlay "4" at 3441.12,4149.91 h31; Top Assembly "1" at 3220.65,4142.03 h25; Top Assembly "3" at 3220.65,3945.18 h25; Top Assembly "6" at 3433.25,3945.18 h25; Top Assembly "4" at 3441.12,4149.91 h25; Top Pin Number "2" at 3267.81,4046.79 h25; Top Pin Number "5" at 3393.79,4046.79 h25; Top Pin Number "6" at 3393.79,3948.37 h25; Top Pin Number "3" at 3267.81,3948.37 h25; Top Pin Number "4" at 3393.79,4145.22 h25; Top Pin Number "1" at 3267.81,4145.22 h25
SW901: Top Pin Number "4" at 2207.87,4222.72 h25 r180; Top Pin Number "5" at 2042.51,4222.72 h25 r180; Top Pin Number "7" at 2032.3,4191.18 h25 r180; Top Pin Number "1" at 2050.02,4137.64 h25 r180; Top Pin Number "3" at 2116.95,4128.19 h25 r180; Top Pin Number "6" at 2201.6,4191.18 h25 r180; Top Pin Number "2" at 2183.88,4137.64 h25 r180
SW902: Top Pin Number "2" at 2457.78,4137.64 h25 r180; Top Pin Number "6" at 2475.5,4191.18 h25 r180; Top Pin Number "3" at 2390.85,4128.19 h25 r180; Top Pin Number "1" at 2323.92,4137.64 h25 r180; Top Pin Number "7" at 2306.2,4191.18 h25 r180; Top Pin Number "5" at 2316.41,4222.72 h25 r180; Top Pin Number "4" at 2481.77,4222.72 h25 r180
SW1101: Top Overlay "20" at 2935.63,2179.79 h31 r270; Top Overlay "10" at 2674.63,1618.79 h31 r270; Top Overlay "11" at 2936.63,1620.79 h31 r270; Top Overlay "1" at 2682.63,2148.79 h31 r270; Top Assembly "11" at 2939.63,1617.79 h25 r270; Top Assembly "20" at 2937.63,2167.79 h25 r270; Top Assembly "1" at 2684.63,2144.79 h25 r270; Top Assembly "10" at 2685.63,1622.79 h25 r270; Top Pin Number "11" at 2936.14,1658.79 h25 r270; Top Pin Number "12" at 2936.14,1708.79 h25 r270; Top Pin Number "17" at 2936.14,1958.79 h25 r270; Top Pin Number "14" at 2936.14,1808.79 h25 r270; Top Pin Number "15" at 2936.14,1858.79 h25 r270; Top Pin Number "19" at 2936.14,2058.79 h25 r270; Top Pin Number "20" at 2936.14,2108.79 h25 r270; Top Pin Number "16" at 2936.14,1908.79 h25 r270; Top Pin Number "18" at 2936.14,2008.79 h25 r270; Top Pin Number "13" at 2936.14,1758.79 h25 r270; Top Pin Number "4" at 2694.3,1958.79 h25 r270; Top Pin Number "9" at 2694.3,1708.79 h25 r270; Top Pin Number "7" at 2694.3,1808.79 h25 r270; Top Pin Number "5" at 2694.3,1908.79 h25 r270; Top Pin Number "1" at 2694.3,2108.79 h25 r270; Top Pin Number "6" at 2694.3,1858.79 h25 r270; Top Pin Number "8" at 2694.3,1758.79 h25 r270; Top Pin Number "2" at 2694.3,2058.79 h25 r270; Top Pin Number "10" at 2694.14,1658.79 h25 r270; Top Pin Number "3" at 2694.3,2008.79 h25 r270
SW1102: Top Overlay "1" at 2361.63,2148.79 h31 r270; Top Overlay "11" at 2615.63,1620.79 h31 r270; Top Overlay "10" at 2353.63,1618.79 h31 r270; Top Overlay "20" at 2614.63,2179.79 h31 r270; Top Assembly "10" at 2364.63,1622.79 h25 r270; Top Assembly "1" at 2363.63,2144.79 h25 r270; Top Assembly "20" at 2616.63,2167.79 h25 r270; Top Assembly "11" at 2618.63,1617.79 h25 r270; Top Pin Number "3" at 2373.3,2008.79 h25 r270; Top Pin Number "10" at 2373.14,1658.79 h25 r270; Top Pin Number "2" at 2373.3,2058.79 h25 r270; Top Pin Number "8" at 2373.3,1758.79 h25 r270; Top Pin Number "6" at 2373.3,1858.79 h25 r270; Top Pin Number "1" at 2373.3,2108.79 h25 r270; Top Pin Number "5" at 2373.3,1908.79 h25 r270; Top Pin Number "7" at 2373.3,1808.79 h25 r270; Top Pin Number "9" at 2373.3,1708.79 h25 r270; Top Pin Number "4" at 2373.3,1958.79 h25 r270; Top Pin Number "13" at 2615.14,1758.79 h25 r270; Top Pin Number "18" at 2615.14,2008.79 h25 r270; Top Pin Number "16" at 2615.14,1908.79 h25 r270; Top Pin Number "20" at 2615.14,2108.79 h25 r270; Top Pin Number "19" at 2615.14,2058.79 h25 r270; Top Pin Number "15" at 2615.14,1858.79 h25 r270; Top Pin Number "14" at 2615.14,1808.79 h25 r270; Top Pin Number "17" at 2615.14,1958.79 h25 r270; Top Pin Number "12" at 2615.14,1708.79 h25 r270; Top Pin Number "11" at 2615.14,1658.79 h25 r270
TP1201: Top Pin Number "1" at 240.16,3462 h25 r180
TP1202: Top Pin Number "1" at 1548.16,1238 h25 r180
TP1203: Bottom Pin Number "1" at 3302,3427.84 h25 r270
TVS303: Top Pin Number "1" at 8949.12,907.57 h25 r270; Top Pin Number "2" at 8947.5,838.2 h25 r270
TVS304: Top Pin Number "1" at 9390,907.57 h25 r270; Top Pin Number "2" at 9388.38,838.2 h25 r270
TVS307: Top Pin Number "1" at 9316.52,907.57 h25 r270; Top Pin Number "2" at 9314.9,838.2 h25 r270
TVS308: Top Pin Number "1" at 9536.96,907.57 h25 r270; Top Pin Number "2" at 9535.34,838.2 h25 r270
TVS401: Top Pin Number "2" at 9461.86,838.2 h25 r270; Top Pin Number "1" at 9463.48,907.57 h25 r270
TVS402: Top Pin Number "2" at 9094.46,838.2 h25 r270; Top Pin Number "1" at 9096.08,907.57 h25 r270
TVS701: Top Pin Number "1" at 9023.54,839.61 h25 r90; Top Pin Number "2" at 9025.16,908.98 h25 r90
TVS702: Top Pin Number "1" at 9243.98,839.61 h25 r90; Top Pin Number "2" at 9245.6,908.98 h25 r90
TVS901: Top Pin Number "2" at 9167.94,838.2 h25 r270; Top Pin Number "1" at 9169.56,907.57 h25 r270
U101: Top Overlay "1" at 2014.8,6280.06 h30 r180; Top Overlay "9" at 1951.06,6402.93 h30 r180; Top Overlay "12" at 1947.6,6324.94 h30 r180; Top Assembly "1" at 2006.18,6276.95 h15 r180; Top Assembly "3" at 2132.16,6316.32 h15 r180; Top Assembly "6" at 2124.29,6395.06 h15 r180; Top Assembly "9" at 1951.06,6395.06 h15 r180; Top Assembly "12" at 1951.06,6300.57 h15 r180; Top Pin Number "4" at 2090.89,6336.1 h10 r180; Top Pin Number "1" at 2014.11,6324.29 h10 r180; Top Pin Number "7" at 2033.8,6367.59 h10 r180; Top Pin Number "11" at 1984.71,6336.1 h10 r180; Top Pin Number "12" at 1984.71,6316.41 h10 r180; Top Pin Number "3" at 2090.89,6316.41 h10 r180; Top Pin Number "6" at 2090.89,6375.47 h10 r180; Top Pin Number "5" at 2090.89,6355.78 h10 r180; Top Pin Number "8" at 2014.11,6383.34 h10 r180; Top Pin Number "2" at 2053.49,6324.29 h10 r180; Top Pin Number "10" at 1984.71,6355.78 h10 r180; Top Pin Number "9" at 1976.71,6375.47 h10 r180
U102: Top Overlay "1" at 9606.3,531.8 h30; Top Overlay "9" at 9736.3,551.8 h30; Top Overlay "7" at 9736.3,451.8 h30; Top Assembly "1" at 9615.1,552.94 h15; Top Assembly "3" at 9611.1,471.94 h15; Top Assembly "9" at 9743.1,555.94 h15; Top Assembly "7" at 9748.1,476.94 h15; Top Pin Number "3" at 9630.23,492.39 h10; Top Pin Number "6" at 9692.08,459.93 h10; Top Pin Number "9" at 9704.79,531.77 h10; Top Pin Number "1" at 9628.09,531.77 h10; Top Pin Number "5" at 9672.63,459.93 h10; Top Pin Number "4" at 9653.18,459.93 h10; Top Pin Number "7" at 9705.03,492.39 h10; Top Pin Number "10" at 9671.3,565.23 h10; Top Pin Number "2" at 9630.23,512.08 h10; Top Pin Number "8" at 9705.03,512.08 h10; Top Pin Number "11" at 9669.16,512.08 h10
U201: Top Overlay "13" at 256.88,6259.3 h25; Top Overlay "12" at 11.88,6259.3 h25; Top Overlay "1" at 31.96,6598.81 h25; Top Assembly "1" at 29.38,6566.99 h25; Top Assembly "12" at 18.45,6298.87 h25; Top Assembly "13" at 252.3,6296.08 h25; Top Assembly "24" at 250.94,6568.99 h25; Top Pin Number "22" at 262.15,6528.82 h10; Top Pin Number "23" at 262.15,6554.41 h10; Top Pin Number "24" at 262.51,6580 h10; Top Pin Number "2" at 25.14,6554.41 h10; Top Pin Number "1" at 21.92,6580 h10; Top Pin Number "7" at 25.14,6426.46 h10; Top Pin Number "8" at 25.14,6400.87 h10; Top Pin Number "9" at 24.78,6375.28 h10; Top Pin Number "10" at 30.47,6349.69 h10; Top Pin Number "11" at 27.26,6324.1 h10; Top Pin Number "13" at 260.97,6298.51 h10; Top Pin Number "14" at 261.33,6324.1 h10; Top Pin Number "6" at 24.78,6452.05 h10; Top Pin Number "15" at 260.97,6349.69 h10; Top Pin Number "16" at 260.62,6375.28 h10; Top Pin Number "17" at 260.97,6400.87 h10; Top Pin Number "18" at 260.97,6426.46 h10; Top Pin Number "20" at 262.15,6477.64 h10; Top Pin Number "19" at 260.62,6452.05 h10; Top Pin Number "5" at 25.14,6477.64 h10; Top Pin Number "3" at 25.14,6528.82 h10; Top Pin Number "4" at 25.5,6503.23 h10; Top Pin Number "21" at 258.94,6503.23 h10; Top Pin Number "12" at 30.47,6298.51 h10
U202: Top Overlay "13" at 8371.72,361.79 h20 r180; Top Overlay "1" at 8601.36,28.88 h20 r180; Top Assembly "1" at 8611.27,60.52 h25 r180; Top Assembly "12" at 8609.61,333.84 h25 r180; Top Assembly "13" at 8378,333.84 h25 r180; Top Assembly "24" at 8384.71,64.35 h25 r180; Top Pin Number "13" at 8370.82,331.33 h10 r180; Top Pin Number "12" at 8600.74,331.33 h10 r180; Top Pin Number "11" at 8603.95,305.74 h10 r180; Top Pin Number "22" at 8369.64,101.02 h10 r180; Top Pin Number "9" at 8606.76,254.56 h10 r180; Top Pin Number "10" at 8600.74,280.15 h10 r180; Top Pin Number "19" at 8371.18,177.79 h10 r180; Top Pin Number "8" at 8606.4,228.97 h10 r180; Top Pin Number "20" at 8369.64,152.2 h10 r180; Top Pin Number "18" at 8370.82,203.38 h10 r180; Top Pin Number "21" at 8372.86,126.61 h10 r180; Top Pin Number "24" at 8369.29,49.84 h10 r180; Top Pin Number "23" at 8369.64,75.43 h10 r180; Top Pin Number "1" at 8609.61,49.84 h10 r180; Top Pin Number "3" at 8606.4,101.02 h10 r180; Top Pin Number "17" at 8370.82,228.97 h10 r180; Top Pin Number "16" at 8371.18,254.56 h10 r180; Top Pin Number "6" at 8606.76,177.79 h10 r180; Top Pin Number "2" at 8606.4,75.43 h10 r180; Top Pin Number "15" at 8370.82,280.15 h10 r180; Top Pin Number "14" at 8370.47,305.74 h10 r180; Top Pin Number "5" at 8606.4,152.2 h10 r180; Top Pin Number "4" at 8606.04,126.61 h10 r180; Top Pin Number "7" at 8606.4,203.38 h10 r180
U203: Top Overlay "14" at 9402.38,59.33 h31 r270; Top Overlay "8" at 9165.85,57.65 h31 r270; Top Overlay "7" at 9162.4,290.29 h31 r270; Top Overlay "1" at 9399.02,281.43 h31 r270; Top Assembly "1" at 9397.57,286.29 h25 r270; Top Assembly "14" at 9387.57,40.29 h25 r270; Top Assembly "8" at 9165.56,44.29 h25 r270; Top Assembly "7" at 9165.56,286.29 h25 r270; Top Pin Number "6" at 9244.27,299.67 h20 r270; Top Pin Number "9" at 9244.27,61.67 h20 r270; Top Pin Number "7" at 9218.67,299.55 h20 r270; Top Pin Number "3" at 9321.06,299.55 h20 r270; Top Pin Number "2" at 9346.66,299.55 h20 r270; Top Pin Number "4" at 9295.47,299.43 h20 r270; Top Pin Number "5" at 9269.87,299.55 h20 r270; Top Pin Number "11" at 9295.31,60.79 h20 r270; Top Pin Number "10" at 9269.71,59.72 h20 r270; Top Pin Number "14" at 9372.1,59.6 h20 r270; Top Pin Number "1" at 9372.26,300.62 h20 r270; Top Pin Number "13" at 9346.5,59.72 h20 r270; Top Pin Number "12" at 9320.9,59.72 h20 r270; Top Pin Number "8" at 9218.67,61.55 h20 r270
U204: Top Overlay "1" at 7260.01,629.06 h30; Top Overlay "3" at 7312.92,619.29 h30; Top Overlay "4" at 7300.92,807.29 h30; Top Overlay "5" at 7254.92,804.29 h30; Top Assembly "1" at 7272.37,637.79 h15; Top Assembly "3" at 7326.41,634.27 h15; Top Assembly "4" at 7325.57,785.71 h15; Top Assembly "5" at 7274.34,786.27 h15; Top Pin Number "1" at 7266.12,681.79 h20; Top Pin Number "3" at 7317.32,681.79 h20; Top Pin Number "4" at 7317.32,766.79 h20; Top Pin Number "5" at 7266.12,766.79 h20; Top Pin Number "2" at 7291.72,681.79 h20
U301: Top Overlay "1" at 1469.14,6264.79 h30; Top Assembly "1" at 1461.51,6299.79 h15; Top Pin Number "5" at 1502.43,6396.29 h10; Top Pin Number "1" at 1500.29,6294.29 h10; Top Pin Number "2" at 1539.93,6294.29 h10; Top Pin Number "3" at 1577.43,6294.29 h10; Top Pin Number "4" at 1577.67,6396.29 h10
U302: Top Overlay "A" at 7515.02,682.66 h20 r180; Top Overlay "G" at 7514.02,781.66 h20 r180; Top Overlay "1" at 7474.02,652.33 h20 r180; Top Overlay "6" at 7398.36,651.33 h20 r180; Top Assembly "A" at 7511.76,676.42 h15 r180; Top Assembly "G" at 7511.76,778.78 h15 r180; Top Assembly "1" at 7480.26,652.79 h15 r180; Top Assembly "6" at 7393.65,652.79 h15 r180; Top Pin Number "D6" at 7397.68,725.29 h5 r180; Top Pin Number "C6" at 7397.42,709.54 h5 r180; Top Pin Number "E6" at 7397.94,741.03 h5 r180; Top Pin Number "F6" at 7398.07,756.78 h5 r180; Top Pin Number "G6" at 7397.55,772.52 h5 r180; Top Pin Number "A5" at 7413.04,678.05 h5 r180; Top Pin Number "A3" at 7444.53,678.05 h5 r180; Top Pin Number "A6" at 7397.42,678.05 h5 r180; Top Pin Number "A2" at 7460.28,678.05 h5 r180; Top Pin Number "E1" at 7477.63,741.03 h5 r180; Top Pin Number "F1" at 7477.76,756.78 h5 r180; Top Pin Number "B1" at 7477.37,693.79 h5 r180; Top Pin Number "C1" at 7477.1,709.54 h5 r180; Top Pin Number "D1" at 7477.37,725.29 h5 r180; Top Pin Number "D5" at 7413.31,725.29 h5 r180; Top Pin Number "D4" at 7428.94,725.29 h5 r180; Top Pin Number "C5" at 7413.04,709.54 h5 r180; Top Pin Number "C4" at 7428.68,709.54 h5 r180; Top Pin Number "E4" at 7429.2,741.03 h5 r180; Top Pin Number "E5" at 7413.57,741.03 h5 r180; Top Pin Number "F4" at 7429.33,756.78 h5 r180; Top Pin Number "F5" at 7413.7,756.78 h5 r180; Top Pin Number "G4" at 7428.81,772.52 h5 r180; Top Pin Number "G5" at 7413.18,772.52 h5 r180; Top Pin Number "C2" at 7460.28,709.54 h5 r180; Top Pin Number "C3" at 7444.53,709.54 h5 r180; Top Pin Number "B6" at 7397.68,693.79 h5 r180; Top Pin Number "B3" at 7444.8,693.79 h5 r180; Top Pin Number "B2" at 7460.55,693.79 h5 r180; Top Pin Number "A4" at 7428.68,678.05 h5 r180; Top Pin Number "B4" at 7428.94,693.79 h5 r180; Top Pin Number "B5" at 7413.31,693.79 h5 r180; Top Pin Number "G1" at 7477.24,772.52 h5 r180; Top Pin Number "D3" at 7444.8,725.29 h5 r180; Top Pin Number "D2" at 7460.55,725.29 h5 r180; Top Pin Number "F3" at 7445.19,756.78 h5 r180; Top Pin Number "E3" at 7445.06,741.03 h5 r180; Top Pin Number "F2" at 7460.94,756.78 h5 r180; Top Pin Number "E2" at 7460.81,741.03 h5 r180; Top Pin Number "G3" at 7444.67,772.52 h5 r180; Top Pin Number "G2" at 7460.42,772.52 h5 r180; Top Pin Number "A1" at 7477.1,678.05 h5 r180
U303: Top Overlay "1" at 1106.08,6388.8 h30; Bottom Pin Number "2" at 1155.87,6365.75 h10; Bottom Pin Number "11" at 1252.29,6350 h10; Bottom Pin Number "9" at 1254.08,6319 h10; Bottom Pin Number "1" at 1155.87,6381.5 h10; Bottom Pin Number "3" at 1155.87,6350 h10; Bottom Pin Number "17" at 1202.08,6351 h10; Bottom Pin Number "15" at 1213.2,6396.06 h10 r90; Bottom Pin Number "5" at 1155.87,6318.5 h10; Bottom Pin Number "7" at 1214.2,6303.64 h10 r90; Bottom Pin Number "8" at 1229.95,6303.64 h10 r90; Bottom Pin Number "12" at 1252.29,6365.75 h10; Bottom Pin Number "14" at 1228.95,6396.06 h10 r90; Bottom Pin Number "10" at 1252.29,6334.25 h10; Bottom Pin Number "13" at 1252.29,6381.5 h10; Bottom Pin Number "4" at 1155.87,6334.25 h10; Bottom Pin Number "16" at 1197.45,6396.06 h10 r90; Bottom Pin Number "6" at 1198.45,6303.64 h10 r90; Top Assembly "1" at 1122.47,6385.5 h15; Top Assembly "5" at 1122.47,6298.88 h15; Top Assembly "9" at 1287.82,6298.88 h15; Top Assembly "13" at 1279.95,6393.37 h15
U304: Top Overlay "1" at 1785.14,6264.79 h30; Top Assembly "1" at 1777.51,6299.79 h15; Top Pin Number "4" at 1893.67,6396.29 h10; Top Pin Number "3" at 1893.43,6294.29 h10; Top Pin Number "2" at 1855.93,6294.29 h10; Top Pin Number "1" at 1816.29,6294.29 h10; Top Pin Number "5" at 1818.43,6396.29 h10